# KiCad board board_delta.kicad_pcb (continued)
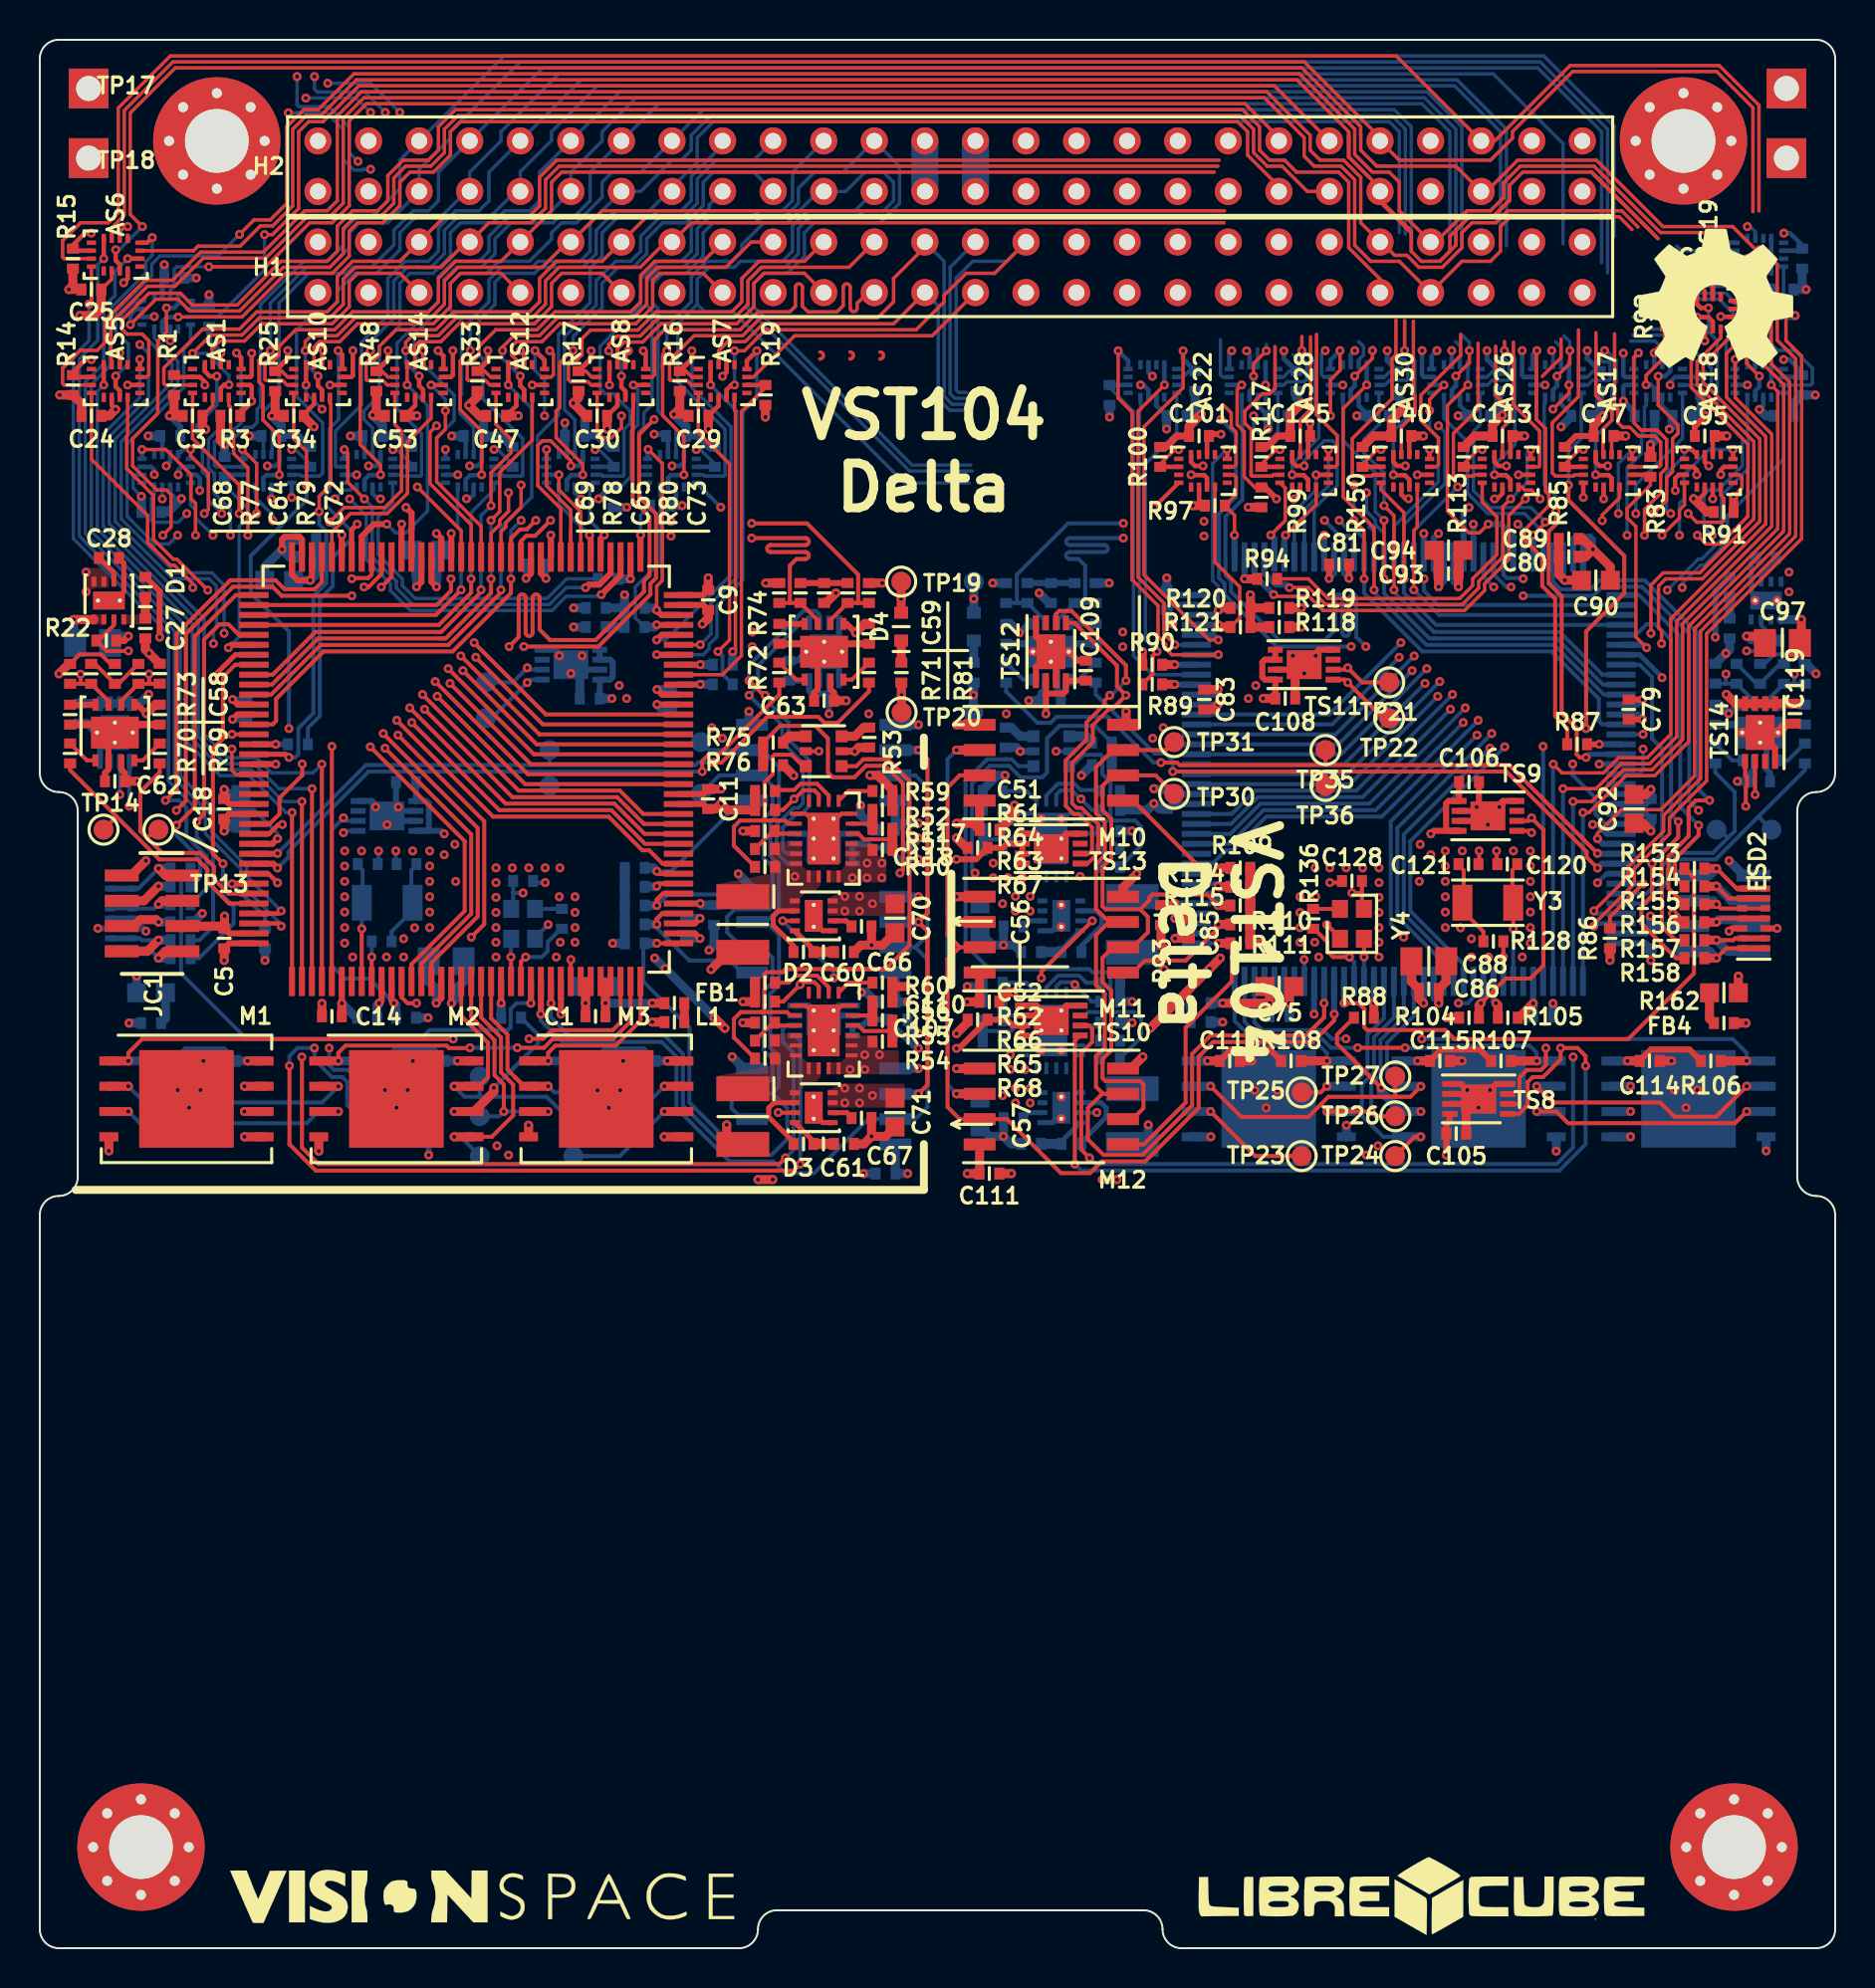
[diagram p0: board, top side]
## Routing (per net, layer and track width the routed paths; a pad name or vN(x,y) marks a point on that pad's centre or on a via; arc(x,y) is an arc through that point) (continued)
  Top w0.225: v1(62.9,74.03) 62.92,74.01 63.48,74.01 63.7,73.79 AS28.3
  In2.Cu w0.173: 58.12,83.39 58.12,88.88 57.77,89.23 37.8,89.23 H2.19
  Bottom w0.173: H2.19 35.86,89.23 33.82,89.23 33.32,88.73 33.32,87.55 32.46,86.69 31.28,86.69 30.48,85.89 30.48,85.14 29.8,84.46 29.05,84.46 28.24,83.65 28.24,82.43 26.79,80.98 v1(26.79,80.27) ; v1(62.9,74.03) 62.9,74.55 64.24,75.89 64.24,77.23 64.05,77.42 64.05,79.66 63.44,80.27 v1(63.38,80.27)
  Bottom w0.225: v1(27.27,74.03) 27.25,74.01 26.69,74.01 26.47,73.79 AS13.3
UART_RCS_2_TX: length 59.6
  Top w0.173: 60.84,74.26 60.84,74.01 60.88,73.97 61.89,73.97 61.96,74.03 AS28.15 ; 60.84,74.26 60.84,74.11 ; 60.84,74.26 60.84,76.3 60.52,76.62 60.52,77.23 61.39,78.1 61.77,78.1 62.04,78.37 62.04,80.47
  In2.Cu w0.173: 58.42,83.49 58.42,89 57.89,89.53 35.56,89.53 H2.17
  Bottom w0.173: 29.33,74.26 29.33,74.01 29.29,73.97 28.28,73.97 28.21,74.03 AS13.15 ; 29.33,74.26 29.33,76.3 29.65,76.62 29.65,77.23 28.78,78.1 28.4,78.1 28.13,78.37 28.13,80.47 30.18,82.52 30.18,83.9 31.04,84.76 32.22,84.76 32.72,85.26 32.72,86.53 33.62,87.43 33.62,87.59 H2.17 ; 29.33,74.26 29.33,74.11
USER_1_1: length 93.8
  Top w0.173: H1.5 18.08,84.15 15.96,84.15 15.54,83.73 15.54,82.47 14.68,81.62 11.14,81.62 10.28,80.75 9.04,80.75 8.65,80.36 8.65,79.91 AS1.3
  In2.Cu w0.173: v1(12.92,94.04) 12.92,94.38 13.32,94.77 73.79,94.77 ; v1(15.98,89.78) 15.24,89.04 15.24,85.14 16.22,84.15 17,84.15 17.97,83.19 H1.5
  Bottom w0.173: 79.89,80.75 81.13,80.75 81.52,80.36 81.52,79.91 AS16.3 ; v1(15.98,89.78) 15.54,90.22 15.54,91.5 14.52,92.52 13.03,92.52 12.92,92.63 v1(12.92,94.04)
USER_1_2: length 68
  Top w0.173: AS1.7 6.31,78.54 6.23,78.62 6.23,79.4 8.18,81.35 10.03,81.35 10.9,82.22 14.44,82.22 14.94,82.72 14.94,83.99 15.71,84.76 18.08,84.76 H1.6 20.32,86.99 24.55,86.99 25.1,87.54 25.1,88.98 25.96,89.84 59.22,89.84
  Bottom w0.173: 80.14,81.35 81.99,81.35 83.94,79.4 83.94,78.62 83.86,78.54 AS16.7
USER_1_4: length 67.4
  Top w0.173: v1(7.67,80.13) 8.59,81.05 10.15,81.05 11.02,81.92 14.56,81.92 15.24,82.6 15.24,83.86 15.83,84.46 19.03,84.46 19.04,84.45 20.15,84.45 21.42,85.73 H1.8 22.56,86.69 24.67,86.69 25.4,87.42 25.4,88.85 26.08,89.54 59.17,89.54 ; 82.42,80.13 v1(82.5,80.13) 81.78,80.13 80.67,79.02 v1(80.67,78.55)
  Top w0.225: v1(9.5,78.55) 9.26,78.55 9.09,78.38 AS1.11
  Bottom w0.173: 7.75,80.13 v1(7.67,80.13) 8.39,80.13 9.5,79.02 v1(9.5,78.55) ; v1(82.5,80.13) 81.58,81.05 80.02,81.05
  Bottom w0.225: v1(80.67,78.55) 80.91,78.55 81.08,78.38 AS16.11
USER_2_1: length 101.7
  Top w0.173: 11.11,79.89 11.36,80.14 ; 11.11,79.89 11.49,80.27 v1(11.58,80.27) ; 11.11,79.89 11.01,79.79 11.01,78.69 11.21,78.49 11.21,76.78 12.03,75.96 v1(12.03,74.03)
  Top w0.225: AS17.3 78.94,73.87 78.8,74.01 78.16,74.01 v1(78.14,74.03)
  Bottom w0.173: 79.06,79.89 79.16,79.79 79.16,78.69 78.96,78.49 78.96,76.78 78.14,75.96 v1(78.14,74.03) ; 79.06,79.89 78.81,80.14 ; 79.06,79.89 78.68,80.27 v1(78.59,80.27) ; v1(11.58,80.27) 11.58,82.65 13.38,84.45 14.56,84.45 15.11,85 15.11,85.01 15.54,85.44 15.54,86.19 16.04,86.69 17.48,86.69 H2.5 19.05,89.37 20.62,90.94 20.62,91.27 24.12,94.77 37.32,94.77 73.24,94.77 75.36,94.77 78.74,91.39 78.74,84.17
  Bottom w0.225: AS2.3 11.23,73.87 11.37,74.01 12.01,74.01 v1(12.03,74.03)
USER_2_2: length 102.4
  Top w0.173: AS17.7 81.32,74.43 81.4,74.51 81.4,75.68 81.1,75.98 80.3,75.98 79.86,76.42 79.5,76.42 79.26,76.66 79.26,77.32 79.09,77.49 79.09,81.11
  Bottom w0.173: 79.06,85.99 79.06,91.55 75.54,95.07 23.32,95.07 H2.6 18.08,89.84 18.08,88.4 16.67,86.99 15.92,86.99 15.24,86.31 15.24,85.56 14.44,84.76 13.26,84.76 11.08,82.58 11.08,77.49 10.91,77.32 10.91,76.66 10.67,76.42 10.31,76.42 9.87,75.98 9.07,75.98 8.77,75.68 8.77,74.51 8.85,74.43 AS2.7
USER_2_4: length 95.3
  Top w0.173: AS17.11 78.5,75.08 78.5,76.32 78.96,76.78 78.96,77.2 78.16,78 78.16,81.16
  Bottom w0.173: 78.44,84.68 78.44,91.27 75.24,94.47 37.2,94.47 25.26,94.47 H2.8 20.02,89.23 20.02,87.8 19.52,87.3 18.76,87.3 17.78,86.31 17.78,85.58 16.65,84.45 15.71,84.45 15.41,84.15 13.5,84.15 12.01,82.66 12.01,78 11.21,77.2 11.21,76.78 11.67,76.32 11.67,75.08 AS2.11
USER_3_1: length 93
  Top w0.225: AS18.15 82.31,74.03 82.13,73.85 82.13,73.33 82.14,73.32 v1(82.14,73.24)
  In2.Cu w0.173: 81.15,80.73 81.72,80.16 81.72,79.84 82.32,79.24 82.32,76.1 81.86,75.64 81.86,73.52 v1(82.14,73.24) ; H1.39 63.5,84.45 63.5,91.39 61.92,92.97 16.28,92.97 15.08,91.77 13.5,91.77 13,91.27 13,83.35 10.68,81.03 8.9,81.03 8.35,80.48 8.35,80.06 7.47,79.18 7.47,76.06 8.31,75.22 8.31,73.52 v1(8.03,73.24)
  Bottom w0.225: AS3.15 7.86,74.03 8.04,73.85 8.04,73.33 8.03,73.32 v1(8.03,73.24)
USER_3_2: length 93.2
  Top w0.225: AS18.3 v1(84.02,72.82)
  In2.Cu w0.173: 81.27,81.03 82.02,80.29 82.02,79.96 82.62,79.36 82.62,75.98 82.16,75.52 82.16,74.44 83.34,73.26 83.58,73.26 v1(84.02,72.82) ; 10.05,80.73 9.02,80.73 8.65,80.36 8.65,79.94 7.85,79.14 7.85,76.18 8.61,75.42 8.61,73.17 8.24,72.8 7.82,72.8 7.35,73.27 6.6,73.27 v1(6.15,72.82) ; 10.05,80.73 9.92,80.73 ; 10.05,80.73 10.81,80.73 12.29,82.22 14.44,82.22 14.94,82.72 14.94,91.21 16.4,92.67 61.8,92.67 63.2,91.27 63.2,86.69 H1.40
  Bottom w0.173: AS3.3 v1(6.15,72.82)
USER_3_3: length 89.5
  Top w0.225: v1(83.82,74.48) 83.62,74.68 AS18.11
  In2.Cu w0.173: 83.15,80.13 83.15,76.25 83.82,75.58 v1(83.82,74.48) ; H1.41 63.8,84.16 63.8,91.52 62.04,93.27 16.15,93.27 14.95,92.07 13.38,92.07 12.68,91.37 12.68,83.45 10.56,81.33 8.22,81.33 7.02,80.13 7.02,76.25 6.35,75.58 v1(6.35,74.48)
  Bottom w0.225: v1(6.35,74.48) 6.55,74.68 AS3.11
USER_3_4: length 91.1
  Top w0.225: v1(84.42,74.04) 84.42,74.27 84.58,74.43 AS18.7
  In2.Cu w0.173: v1(5.75,74.04) 5.75,75.64 6.07,75.97 6.07,77.48 6.72,78.13 6.72,80.25 8.1,81.63 10.43,81.63 12.38,83.57 12.38,91.49 13.26,92.37 14.83,92.37 16.03,93.57 63.44,93.57 65.74,91.27 65.74,86.69 H1.42 ; 83.45,80.25 83.45,78.13 84.1,77.48 84.1,75.97 84.42,75.64 v1(84.42,74.04)
  Bottom w0.225: v1(5.75,74.04) 5.75,74.27 5.59,74.43 AS3.7
USER_4_1: length 69.5
  Top w0.173: v1(6.95,81.96) 10.16,81.96 12.36,84.16 14.68,84.16 15.54,85.01 15.54,86.27 15.97,86.7 17.22,86.7 18.08,87.55 18.08,88.73 18.59,89.24 19.76,89.24 20.62,90.09 20.62,91.27 21.12,91.77 60.16,91.77 60.66,91.27 60.66,90.09 62.23,88.52 H2.39
  Top w0.225: v1(83.22,81.96) 83.23,81.95 83.8,81.95 84.02,81.73 AS19.3
  Bottom w0.173: v1(83.22,81.96) 80.01,81.96
  Bottom w0.225: AS4.3 6.15,81.73 6.37,81.95 6.94,81.95 v1(6.95,81.96)
USER_4_2: length 67
  Top w0.173: AS19.11 83.62,83.29 83.42,83.49 83.42,84.35 83.29,84.48 v1(81.68,84.48) ; H2.40 62.23,90.97 60.53,92.67 16.4,92.67 15.54,91.81 15.54,87.55 14.68,86.7 13.56,86.7 11.34,84.48 v1(8.49,84.48)
  Bottom w0.173: v1(8.49,84.48) 6.88,84.48 6.75,84.35 6.75,83.49 6.55,83.29 AS4.11
USER_4_3: length 79
  Top w0.173: v1(4.55,81.57) 5.18,82.2 5.18,82.2 ; 5.18,82.2 4.95,81.97 ; 5.18,82.2 5.83,82.85 6.94,82.85 7.53,82.26 10.04,82.26 12.23,84.46 14.56,84.46 15.24,85.14 15.24,86.4 15.83,87 17.1,87 17.78,87.68 17.78,88.94 18.38,89.54 19.64,89.54 20.32,90.22 20.32,91.39 21,92.07 60.28,92.07 60.96,91.39 60.96,90.22 61.64,89.54 62.39,89.54 63.66,88.27 H2.41 ; v1(85.62,81.57) 85.62,82.11 85.37,82.37 AS19.7
  Top w0.225: v1(85.62,81.57) 85.62,82.08 85.52,82.18 ; 85.52,82.18 85.6,82.1 ; 85.52,82.18 85.33,82.37 AS19.7
  Bottom w0.173: AS4.7 4.8,82.37 4.55,82.11 v1(4.55,81.57) ; 85.22,81.97 84.99,82.2 ; 84.99,82.2 84.34,82.85 83.23,82.85 82.64,82.26 ; 84.99,82.2 84.99,82.2 v1(85.62,81.57)
  Bottom w0.225: AS4.7 4.84,82.37 4.65,82.18 ; v1(4.55,81.57) 4.55,82.08 4.65,82.18 ; 4.65,82.18 4.57,82.1
USER_4_4: length 68
  Top w0.173: AS19.15 81.24,81.97 81.16,82.05 ; v1(11.29,86.09) 11.68,86.09 13,87.41 13,91.27 13.5,91.77 14.23,91.77 16.03,93.57 62,93.57 H2.42
  Bottom w0.173: AS4.15 8.93,81.97 ; 8.93,81.97 9.01,82.05 ; 8.93,81.97 11.29,84.32 v1(11.29,86.09)
USER_5_1: length 90.2
  Top w0.173: 67.32,82.59 67.31,82.59 67.31,82.85 ; AS5.15 5.36,78.94 5.47,79.06 5.47,80.77 5.14,81.1 4.37,81.1 4.11,81.36 4.11,81.78 5.48,83.15 7.06,83.15 7.65,82.56 9.91,82.56 12.11,84.76 14.44,84.76 14.94,85.26 14.94,86.53 15.71,87.3 16.98,87.3 17.48,87.8 17.48,89.07 18.25,89.84 19.52,89.84 20.02,90.34 20.02,91.52 20.88,92.37 60.4,92.37 61.26,91.52 61.26,90.34 61.76,89.84 62.52,89.84 63.12,89.23 65.24,89.23 65.74,88.73 65.74,85.44 67.31,83.87 H1.43
  Bottom w0.173: 82.52,82.56 83.11,83.15 84.69,83.15 86.06,81.78 86.06,81.36 85.8,81.1 85.03,81.1 84.7,80.77 84.7,79.06 84.81,78.94 AS23.15
USER_5_2: length 109.9
  Top w0.173: AS5.7 1.23,78.54 1.15,78.62 1.15,79.39 2.04,80.28 2.88,80.28 3.27,80.67 3.27,81.79 5.28,83.8 6.66,83.8 8.07,85.22 11.23,85.22 13.31,87.3 14.44,87.3 14.94,87.8 14.94,92.06 16.15,93.27 61.62,93.27 63.8,91.09 63.8,90.34 64.3,89.84 65.48,89.84 66.34,88.98 66.34,86.69 H1.44 67.38,85.73 68.04,85.06 68.66,85.06 69.26,84.46 70.44,84.46 71.42,85.44 71.42,86.19 71.93,86.7 73.13,86.7 73.73,87.3 79.45,87.3 80.26,86.48 80.26,86.48
  Bottom w0.173: 82.1,85.22 83.51,83.8 84.89,83.8 86.9,81.79 86.9,80.67 87.29,80.28 88.13,80.28 89.02,79.39 89.02,78.62 88.94,78.54 AS23.7
USER_5_3: length 102.9
  Top w0.173: 79.97,86.36 79.32,87 73.85,87 73.36,86.5 73.36,85.26 72.86,84.76 71.42,84.76 H1.45 68.28,84.76 66.84,84.76 66.04,85.56 66.04,88.85 65.36,89.53 64,89.53 63.5,90.04 63.5,90.97 61.5,92.97 16.28,92.97 15.24,91.94 15.24,87.68 14.56,87 13.43,87 11.35,84.92 8.21,84.92 7.42,84.13 7.41,84.13 6.78,83.5 5.41,83.5 3.57,81.67 3.57,80 AS5.3
  Bottom w0.173: AS23.3 86.6,80 86.6,81.67 84.76,83.5 83.39,83.5 82.76,84.13 82.75,84.13 81.96,84.92
USER_5_4: length 110.8
  Top w0.173: v1(86.36,78.99) 85.72,79.63 85.72,80.6 86.36,81.24 86.36,82.22 84.54,84.04 84.54,84.61 84.13,85.03 84.13,85.69 83.62,86.2 81.39,86.2 78.06,89.53 77.65,89.53 77.64,89.54 74.35,89.54 73.52,88.7 73.52,87.96 72.86,87.3 71.68,87.3 70.11,85.73 H1.46 68.28,87.3 68.28,88.73 67.78,89.23 66.93,89.23 66.04,90.13 66.04,91.39 63.26,94.17 15.78,94.17 13.98,92.37 13.26,92.37 12.4,91.52 12.4,87.66 11.57,86.83 10.75,86.83 10.75,86.83 v1(10.03,86.1)
  Top w0.225: AS5.11 4.01,78.25 3.81,78.45 v1(3.81,78.99)
  Bottom w0.173: v1(10.03,86.1) 8.95,85.03 6.04,85.03 5.63,84.61 5.63,84.04 3.81,82.22 3.81,81.24 4.45,80.6 4.45,79.63 v1(3.81,78.99)
  Bottom w0.225: AS23.11 86.16,78.25 86.36,78.45 v1(86.36,78.99)
USER_6_1: length 127.2
  Top w0.173: 65.74,90 67.31,88.43 H2.43 67.31,87.84 68.88,86.27 68.88,85.26 ; 65.74,90 65.74,91.27 ; 65.74,90 65.74,90.79 ; 65.74,90 66.81,88.93 65.74,90 ; 65.74,90 65.74,91.07 65.74,90.79 ; 75.46,78.98 76.4,79.92 76.4,80.85 ; AS6.15 7.72,85.29 7.95,85.52 10.06,85.52 11.07,86.53 11.7,86.53 12.7,87.54 12.7,91.39 13.38,92.07 14.1,92.07 15.9,93.87 63.14,93.87 65.74,91.27 ; 65.74,91.27 65.74,90.79 ; 71.8,87 73.01,87 73.82,87.81 73.82,88.58 ; 71.8,87 70.82,86.01 70.82,85.26 70.32,84.76 ; 71.8,87 72.98,87 ; 71.8,87 71.12,86.31 71.12,85.56 70.32,84.76 ; 71.8,87 72.98,87 ; 68.88,86.19 66.81,88.26 68.88,86.19 ; 68.88,86.19 68.88,85.26 ; 77.94,89.23 74.47,89.23 73.82,88.58 ; 77.94,89.23 80.8,86.37 ; 77.94,89.23 81.27,85.9 77.94,89.23 ; 73.82,87.84 72.98,87 ; 73.82,87.84 73.82,88.58 ; 73.82,87.84 73.82,88.58 ; 73.82,87.84 72.98,87 ; 70.32,84.76 69.38,84.76 68.88,85.26
  Bottom w0.173: AS24.15 82.45,85.29 82.22,85.52
USER_6_2: length 99.7
  Top w0.173: AS6.3 3.61,86.44 4.24,87.07 4.24,92.34 6.68,94.77 63.51,94.77 67.31,90.97 H2.44 68.28,89.84 72.86,89.84 73.96,90.94 73.96,91.27 76.98,94.29 84.22,94.29 86.04,92.48 86.04,87.25
USER_6_3: length 98.6
  Top w0.173: v1(86.36,85.34) 86.18,85.34 85.02,86.5 81.52,86.5 78.18,89.84 74.23,89.84 72.66,88.27 H2.47 71.12,89.54 67.14,89.54 66.34,90.34 66.34,91.11 66.34,91.52 63.38,94.47 6.8,94.47 4.54,92.21 4.54,87.11 v1(5.15,86.5)
  Top w0.225: v1(3.81,85.34) 3.81,84.8 4.01,84.6 AS6.11
  Bottom w0.173: v1(3.81,85.34) 3.99,85.34 v1(5.15,86.5)
  Bottom w0.225: AS24.11 86.16,84.6 86.36,84.8 v1(86.36,85.34)
USER_6_4: length 103.9
  Top w0.173: 86.34,87.29 86.34,92.6 84.35,94.59 76.86,94.59 73.07,90.81 H2.48 68.12,95.07 6.55,95.07 3.94,92.46 3.94,87.19 3.44,86.69 2.05,86.69 1.15,85.79 1.15,84.97 1.23,84.89 AS6.7
Net-(C27-Pad1): length 1.2
  Top w0.25: 5.25,66.76 C27.1
  Top w0.45: D1.1 C27.1
Net-(C28-Pad1): length 1.5
  Top w0.25: Q1.6 3.72,69.1 C28.1
Net-(C50-Pad2): length 4.4
  Bottom w0.2: C50.2 18.92,54.42 18.66,54.16 18.66,52.59 18.72,52.53 18.72,52.13 17.67,51.08 R47.1
Net-(C51-Pad1): length 3.4
  Top w0.2: EF1.18 39.62,57.92 39.04,58.5 38.2,58.5 37.89,58.19 36.97,58.19 C51.1
Net-(C52-Pad1): length 3.4
  Top w0.2: C52.1 37.61,48.51 37.97,48.86 39.04,48.86 39.62,48.28 EF2.18
Net-(C60-Pad1): length 2.5
  Top w0.25: Q2.4 38.85,50.19 D2.1
  Top w0.5: D2.1 C60.1
Net-(C61-Pad1): length 2.5
  Top w0.25: Q3.4 38.85,40.55 D3.1
  Top w0.5: D3.1 C61.1
Net-(C64-Pad2): length 3.3
  Top w0.2: R79.2 3.95,63.53 C64.2 2.77,64.53 R77.2
  Top w0.3: C64.2 3.67,63.53
Net-(C65-Pad2): length 2.4
  Top w0.3: R80.2 C65.2 R78.2
Net-(C66-Pad1): length 1.1
  Top w0.25: Q2.6 40.49,51.62 C66.1
  Top w0.3: C66.1 40.77,51.39
Net-(C67-Pad1): length 1.1
  Top w0.25: 40.82,41.7 40.54,41.98 Q3.6
Net-(C98-Pad1): length 1.2
  Bottom w0.25: 84.92,66.76 C98.1
  Bottom w0.45: D5.1 C98.1
Net-(C102-Pad1): length 1.5
  Bottom w0.25: Q4.6 86.45,69.1 C102.1
Net-(C121-Pad2): length 4.4
  Top w0.2: C121.2 71.25,54.42 71.51,54.16 71.51,52.59 71.45,52.53 71.45,52.13 72.5,51.08 R128.1
Net-(C129-Pad1): length 3.4
  Bottom w0.2: EF3.18 50.55,57.92 51.13,58.5 51.97,58.5 52.28,58.19 53.2,58.19 C129.1
Net-(C130-Pad1): length 3.4
  Bottom w0.2: C130.1 52.56,48.51 52.2,48.86 51.13,48.86 50.55,48.28 EF4.18
Net-(C131-Pad2): length 3.3
  Bottom w0.2: R137.2 87.4,64.53 C131.2 86.22,63.53 R139.2
  Bottom w0.3: C131.2 86.5,63.53
Net-(C132-Pad2): length 2.4
  Bottom w0.3: R140.2 C132.2 R138.2
Net-(C141-Pad1): length 2.5
  Bottom w0.25: D6.1 51.32,50.19 Q5.4
  Bottom w0.5: D6.1 C141.1
Net-(C142-Pad1): length 2.5
  Bottom w0.25: Q6.4 51.32,40.55 D7.1
  Bottom w0.5: D7.1 C142.1
Net-(C143-Pad1): length 1.1
  Bottom w0.25: C143.1 49.68,51.62 Q5.6
  Bottom w0.3: C143.1 49.4,51.39
Net-(C144-Pad1): length 1.1
  Bottom w0.25: Q6.6 49.63,41.98 49.35,41.7
Net-(D4-Pad1): length 1.3
  Top w0.45: 43.26,65.53 D4.1 R81.2
Net-(D8-Pad1): length 1.3
  Bottom w0.45: 46.91,65.53 D8.1 R161.2
Net-(EF1-Pad3): length 2.5
  Top w0.2: R63.2 36.82,56.13 R64.1 37.05,56 EF1.3
Net-(EF1-Pad14): length 3.3
  Top w0.2: 42.86,55.71 41.39,55.71 41.1,56 EF1.14
  Top w0.5: R50.2 R51.1
Net-(EF1-Pad15): length 2
  Top w0.2: 41.82,56.54 41.78,56.5 EF1.15
  Top w0.5: R51.2 R52.1
Net-(EF1-Pad17): length 1.9
  Top w0.2: EF1.17 40.61,58.14 R59.2
Net-(EF2-Pad3): length 2.5
  Top w0.2: EF2.3 37.06,46.36 R66.1 36.82,46.5 R65.2
Net-(EF2-Pad14): length 3.2
  Top w0.2: 42.82,46.21 42.69,46.08 41.39,46.08 41.11,46.36 EF2.14
  Top w0.5: R55.1 42.82,45.66
Net-(EF2-Pad15): length 2.6
  Top w0.2: 41.67,46.86 EF2.15 41.57,46.86
  Top w0.5: R55.2 R56.1
Net-(EF2-Pad17): length 1.9
  Top w0.2: R60.2 40.62,48.51 EF2.17
Net-(EF3-Pad3): length 2.5
  Bottom w0.2: R145.2 53.35,56.13 R146.1 53.12,56 EF3.3
Net-(EF3-Pad14): length 3.3
  Bottom w0.2: EF3.14 49.07,56 48.78,55.71 47.31,55.71
  Bottom w0.5: R129.2 R130.1
Net-(EF3-Pad15): length 2
  Bottom w0.2: EF3.15 48.39,56.5 48.35,56.54
  Bottom w0.5: R130.2 R131.1
Net-(EF3-Pad17): length 1.9
  Bottom w0.2: EF3.17 49.56,58.14 R141.2
Net-(EF4-Pad3): length 2.5
  Bottom w0.2: R147.2 53.35,46.5 R148.1 53.11,46.36 EF4.3
Net-(EF4-Pad14): length 3.2
  Bottom w0.2: EF4.14 49.06,46.36 48.78,46.08 47.48,46.08 47.35,46.21
  Bottom w0.5: R134.1 47.35,45.66
Net-(EF4-Pad15): length 2.6
  Bottom w0.2: 48.5,46.86 EF4.15 48.6,46.86
  Bottom w0.5: R134.2 R135.1
Net-(EF4-Pad17): length 1.9
  Bottom w0.2: R142.2 49.55,48.51 EF4.17
Net-(ESD1-Pad1): length 4.8
  Top w0.45: v1(5.96,54.25) 6.32,53.9 7.17,53.9
  Bottom w0.2: 4.67,53.24 4.95,53.24 v1(5.96,54.25)
  Bottom w0.3: 4.67,53.24 ESD1.14
  Bottom w0.45: R41.1 v1(5.96,54.25)
Net-(ESD1-Pad5): length 9.1
  Top w0.45: JC1.1 4.59,53.9 v1(5.33,54.64)
  In2.Cu w0.45: v1(5.33,54.64) v1(5.33,51.1) 5.33,49.31 v1(4.86,48.84)
  Bottom w0.3: v1(5.33,51.1) 5.19,51.24 4.67,51.24
  Bottom w0.45: v1(4.86,48.84) 4.86,48.84 R58.2
Net-(ESD1-Pad6): length 5.2
  Top w0.45: JC1.7 5.4,50.09 v1(5.96,50.65)
  Bottom w0.2: 4.67,50.74 5.02,50.74 5.11,50.65 5.96,50.65 v1(5.96,50.65)
  Bottom w0.3: ESD1.9 4.67,50.74
  Bottom w0.45: R45.1 v1(5.96,50.65)
Net-(ESD1-Pad7): length 4.6
  Top w0.45: v1(5.96,49.75) 6.3,50.09 7.17,50.09
  Bottom w0.2: v1(5.96,49.75) 5.47,50.24 4.67,50.24
  Bottom w0.3: 4.67,50.24 ESD1.8
  Bottom w0.45: R46.1 5.97,49.74 v1(5.96,49.75)
Net-(ESD1-Pad11): length 5.2
  Top w0.45: v1(5.96,51.56) 5.84,51.68 5.05,51.68 4.75,51.38 4.75,51.36 JC1.5
  Bottom w0.2: v1(5.96,51.56) 5.78,51.74 4.67,51.74
  Bottom w0.3: ESD1.11 4.67,51.74
  Bottom w0.45: v1(5.96,51.56) 5.97,51.55 R44.1
Net-(ESD1-Pad12): length 4.4
  Top w0.45: v1(5.96,52.45) 6.14,52.62 7.17,52.62
  Bottom w0.2: v1(5.96,52.45) 5.75,52.24 ESD1.12
  Bottom w0.45: R43.1 v1(5.96,52.45)
Net-(ESD1-Pad13): length 6.1
  Top w0.45: v1(5.96,53.36) 5.23,52.62 4.12,52.62
  Bottom w0.2: R42.1 6.56,53.36 v1(5.96,53.36) 5.34,52.74 4.67,52.74
  Bottom w0.3: ESD1.13 4.67,52.74
  Bottom w0.45: v1(5.96,53.36) 5.97,53.35 R42.1
Net-(ESD2-Pad1): length 4.8
  Top w0.2: v1(84.21,54.25) 85.22,53.24 ESD2.1
  Top w0.3: ESD2.1 ESD2.14
  Top w0.45: R153.1 v1(84.21,54.25)
  Bottom w0.45: v1(84.21,54.25) 83.85,53.9 JC2.2
Net-(ESD2-Pad5): length 9.1
  Top w0.3: v1(84.84,51.1) 84.98,51.24 ESD2.5
  Top w0.45: v1(85.31,48.84) 85.31,48.84 R162.2
  In2.Cu w0.45: v1(84.84,54.64) v1(84.84,51.1) 84.84,49.31 v1(85.31,48.84)
  Bottom w0.45: 86.06,53.9 85.59,53.9 v1(84.84,54.64)
Net-(ESD2-Pad6): length 5.2
  Top w0.2: ESD2.6 85.15,50.74 85.06,50.65 84.21,50.65 v1(84.21,50.65)
  Top w0.3: ESD2.9 ESD2.6
  Top w0.45: R157.1 v1(84.21,50.65)
  Bottom w0.45: v1(84.21,50.65) 84.78,50.09 86.06,50.09
Net-(ESD2-Pad7): length 4.6
  Top w0.2: v1(84.21,49.75) 84.7,50.24 ESD2.7
  Top w0.3: ESD2.7 ESD2.8
  Top w0.45: v1(84.21,49.75) 84.2,49.74 R158.1
  Bottom w0.45: JC2.8 83.88,50.09 v1(84.21,49.75)
Net-(ESD2-Pad11): length 5.2
  Top w0.2: v1(84.21,51.56) 84.39,51.74 ESD2.4
  Top w0.3: ESD2.11 ESD2.4
  Top w0.45: v1(84.21,51.56) 84.2,51.55 R156.1
  Bottom w0.45: v1(84.21,51.56) 84.33,51.68 85.12,51.68 85.42,51.38 85.42,51.36 86.06,51.36
Net-(ESD2-Pad12): length 4.4
  Top w0.2: v1(84.21,52.45) 84.42,52.24 ESD2.3 ESD2.12
  Top w0.45: R155.1 v1(84.21,52.45)
  Bottom w0.45: 83,52.62 84.03,52.62 v1(84.21,52.45)
Net-(ESD2-Pad13): length 6.1
  Top w0.2: R154.1 83.61,53.36 v1(84.21,53.36) 84.83,52.74 ESD2.2
  Top w0.3: ESD2.13 ESD2.2
  Top w0.45: R154.1 84.2,53.35 v1(84.21,53.36)
  Bottom w0.45: 86.06,52.62 84.94,52.62 v1(84.21,53.36)
Net-(FB1-Pad1): length 1
  Top w0.45: FB1.1 L1.2
Net-(FB2-Pad1): length 1.6
  Bottom w0.45: R58.1 6.31,46.71 FB2.1
Net-(FB3-Pad1): length 1
  Bottom w0.45: FB3.1 L2.2
Net-(FB4-Pad1): length 1.6
  Top w0.45: FB4.1 83.86,46.71 R162.1
Net-(LG1-Pad4): length 1.3
  Top w0.5: LG1.4 37.64,60.89 R75.1
Net-(LG2-Pad4): length 1.3
  Bottom w0.5: LG2.4 52.53,60.89 R159.1
Net-(Q2-Pad3): length 36
  Top w0.2: v1(43.2,54.02) 43.35,54.17 43.35,58.51 42.46,59.41 41.49,59.41 40.92,58.83 39.82,58.83 39.58,59.07 39.58,60.79 38.95,61.42 37.17,61.42 R75.2 ; Q3.3 37.09,41.98 v1(37.08,41.99) ; Q2.3 v1(37.31,51.62)
  Top w0.5: R76.1 R75.2
  In2.Cu w0.2: v1(43.2,54.02) 43.2,54.02 42.48,53.3 38.99,53.3 v1(37.31,51.62) ; v1(37.08,41.99) 37.08,45.99 39.84,48.74 v1(39.87,48.74)
  Bottom w0.2: v1(39.87,48.74) 39.87,49.06 v1(37.31,51.62)
Net-(Q5-Pad3): length 36
  Top w0.2: v1(50.3,48.74) 50.3,49.06 v1(52.86,51.62)
  In2.Cu w0.2: v1(46.97,54.02) 46.97,54.02 47.69,53.3 51.18,53.3 v1(52.86,51.62) ; v1(50.3,48.74) 50.33,48.74 53.09,45.99 v1(53.09,41.99)
  Bottom w0.2: v1(53.09,41.99) 53.08,41.98 Q6.3 ; v1(46.97,54.02) 46.82,54.17 46.82,58.51 47.71,59.41 48.68,59.41 49.25,58.83 50.35,58.83 50.59,59.07 50.59,60.79 51.22,61.42 53,61.42 R159.2 ; Q5.3 v1(52.86,51.62)
  Bottom w0.5: R160.1 R159.2
Net-(R6-Pad1): length 1.7
  Top w0.3: v1(11.85,60.49) 10.76,60.49 U1.124
  Bottom w0.3: R6.1 v1(11.85,60.49)
Net-(R7-Pad1): length 1.8
  Top w0.2: v1(23.17,47.48) 23.17,47.48
  Top w0.3: U1.22 v1(23.17,47.48)
  Bottom w0.45: v1(23.17,47.48) 23.17,47.48 R7.1
Net-(R8-Pad1): length 1.7
  Top w0.3: v1(33.17,63.5) 33.16,63.49 U1.63
  Bottom w0.45: R8.1 v1(33.17,63.5)
Net-(R9-Pad1): length 1.7
  Top w0.3: U1.65 33.17,64.49 v1(33.17,64.49)
  Bottom w0.45: v1(33.17,64.49) R9.1
Net-(R12-Pad2): length 1.8
  Top w0.3: U1.41 33.17,52.49 v1(33.17,52.49)
  Bottom w0.45: R12.2 33.25,52.41 v1(33.17,52.49)
Net-(R13-Pad2): length 1.7
  Top w0.3: U1.74 29.67,68.81 v1(29.66,68.8)
  Bottom w0.45: R13.2 v1(29.66,68.8)
Net-(R57-Pad2): length 1.3
  Bottom w0.2: Y2.1 R57.2
Net-(R69-Pad1): length 1.6
  Top w0.2: U2.4 5.17,59.68 R69.1
Net-(R70-Pad1): length 1.6
  Top w0.2: U2.1 2.37,59.68 R70.1
Net-(R71-Pad1): length 1.6
  Top w0.2: R71.1 40.79,63.74 U3.4
Net-(R72-Pad1): length 1.6
  Top w0.2: R72.1 37.99,63.74 U3.1
Net-(R73-Pad1): length 1.3
  Top w0.3: R73.1 U2.8
Net-(R74-Pad1): length 1.3
  Top w0.3: R74.1 U3.8
Net-(R87-Pad1): length 1.7
  Top w0.3: R87.1 v1(78.32,60.49)
  Bottom w0.3: v1(78.32,60.49) 79.41,60.49 U4.124
Net-(R88-Pad1): length 1.8
  Top w0.45: R88.1 67,47.48 v1(67,47.48)
  Bottom w0.2: v1(67,47.48) 67,47.48
  Bottom w0.3: U4.22 v1(67,47.48)
Net-(R89-Pad1): length 1.7
  Top w0.45: R89.1 v1(57,63.5)
  Bottom w0.3: v1(57,63.5) 57.01,63.49 U4.63
Net-(R90-Pad1): length 1.7
  Top w0.45: v1(57,64.49) R90.1
  Bottom w0.3: v1(57,64.49) 57,64.49 U4.65
Net-(R93-Pad2): length 1.8
  Top w0.45: v1(57,52.49) 56.92,52.41 R93.2
  Bottom w0.3: v1(57,52.49) 57,52.49 U4.41
Net-(R94-Pad2): length 1.7
  Top w0.45: R94.2 v1(60.51,68.8)
  Bottom w0.3: v1(60.51,68.8) 60.5,68.81 U4.74
Net-(R122-Pad1): length 1.6
  Bottom w0.2: R122.1 85,59.68 U5.4
Net-(R123-Pad1): length 1.6
  Bottom w0.2: U5.1 87.8,59.68 R123.1
Net-(R124-Pad1): length 1.6
  Bottom w0.2: U6.4 49.38,63.74 R124.1
Net-(R125-Pad1): length 1.6
  Bottom w0.2: R125.1 52.18,63.74 U6.1
Net-(R126-Pad1): length 1.3
  Bottom w0.3: R126.1 U5.8
Net-(R127-Pad1): length 1.3
  Bottom w0.3: R127.1 U6.8
Net-(R136-Pad2): length 1.4
  Top w0.2: Y4.1 R136.2

## Copper pours and planes (outline as drawn; the poured copper is in the pictures)
/OBC_left/+3V3 on Top: 43.43,53.08 43.43,51.87 39.57,51.87 39.57,52.75 40.34,53.08
/OBC_left/+3V3 on In3.Cu: -1.36,96.52 44.44,96.52 44.44,34.3 -1.36,34.3
/OBC_left/+5V on Top: 43.43,43.44 43.43,42.23 39.57,42.23 39.57,43.11 40.34,43.44
/OBC_left/+5V on In3.Cu: 42.12,43.44 42.12,42.23 39.57,42.23 39.57,43.11 40.34,43.44
/OBC_right/+3V3 on Bottom: 46.74,53.08 46.74,51.87 50.6,51.87 50.6,52.75 49.83,53.08
/OBC_right/+3V3 on In3.Cu: 44.46,96.52 90.26,96.52 90.26,34.3 44.46,34.3
/OBC_right/+5V on Bottom: 46.74,43.44 46.74,42.23 50.6,42.23 50.6,43.11 49.83,43.44
/OBC_right/+5V on In3.Cu: 48.05,43.44 48.05,42.23 50.6,42.23 50.6,43.11 49.83,43.44
GND on In1.Cu: -1.27,96.52 91.44,96.52 91.44,-1.27 -1.27,-1.27
GND on In4.Cu: -1.27,96.52 91.44,96.52 91.44,-1.27 -1.27,-1.27
/OBC_left/EF1_out on Top: 38.27,54.4 38.52,54.15 39.22,54.15 39.22,53.41 38.9,53.09 38.52,53.09 38.17,52.74 38.17,51.99 37.66,51.99 36.83,52.2 34.04,52.2 34.04,53.47 36.67,53.98 36.67,55.6 38.27,55.6
/OBC_left/EF2_out on Top: 38.27,44.76 38.52,44.51 39.22,44.51 39.22,43.77 38.9,43.45 38.52,43.45 38.17,43.1 38.17,42.35 37.66,42.35 36.83,42.56 34.04,42.56 34.04,43.83 36.67,44.34 36.67,45.96 38.27,45.96
/OBC_left/TEMP_VDD on Top: 3.47,68.35 2.8,68.35 2.67,68.22 2.67,68.15 2.23,68.15 2.23,69.34 3.05,69.34 3.47,68.91
/OBC_right/EF1_out on Bottom: 51.9,54.4 51.65,54.15 50.95,54.15 50.95,53.41 51.27,53.09 51.65,53.09 52,52.74 52,51.99 52.51,51.99 53.34,52.2 56.13,52.2 56.13,53.47 53.5,53.98 53.5,55.6 51.9,55.6
/OBC_right/EF2_out on Bottom: 51.9,44.76 51.65,44.51 50.95,44.51 50.95,43.77 51.27,43.45 51.65,43.45 52,43.1 52,42.35 52.51,42.35 53.34,42.56 56.13,42.56 56.13,43.83 53.5,44.34 53.5,45.96 51.9,45.96
/OBC_right/TEMP_VDD on Bottom: 86.7,68.35 87.37,68.35 87.5,68.22 87.5,68.15 87.94,68.15 87.94,69.34 87.12,69.34 86.7,68.91
SUP_3V3 on Top: 42.08,54.9 42.52,54.75 42.52,53.55 39.52,53.55 39.52,54.15 40.22,54.15 40.47,54.4 40.47,55.6 41.13,55.6 41.24,55.49 42.08,55.49
SUP_3V3 on Bottom: 48.09,54.9 47.65,54.75 47.65,53.55 50.65,53.55 50.65,54.15 49.95,54.15 49.7,54.4 49.7,55.6 49.04,55.6 48.93,55.49 48.09,55.49
SUP_3V3 on In2.Cu: 49.01,55.38 48.23,55.38 47.53,54.76 47.53,53.55 49.95,53.55 49.95,54.15 49.7,54.4 49.7,54.76
SUP_3V3 on In3.Cu: 41.16,55.38 41.94,55.38 42.64,54.76 42.64,53.55 40.22,53.55 40.22,54.15 40.47,54.4 40.47,54.76
SUP_5V on Top: 42.08,45.26 42.32,45.12 43.14,45.12 43.14,43.91 39.52,43.91 39.52,44.51 40.22,44.51 40.47,44.76 40.47,45.96 41.13,45.96 41.24,45.85 42.08,45.85
SUP_5V on Bottom: 48.09,45.26 47.85,45.12 47.03,45.12 47.03,43.91 50.65,43.91 50.65,44.51 49.95,44.51 49.7,44.76 49.7,45.96 49.04,45.96 48.93,45.85 48.09,45.85
SUP_5V on In3.Cu: 41.7,45.12 42.42,45.83 43.14,45.46 42.56,43.91 40.22,43.91 40.22,44.51 40.47,44.76 40.47,45.12
